# Allegro board gps_interface_boardv46ph.brd (continued)
## Routing (per net, layer and track width the routed paths; a pad name or vN(x,y) marks a point on that pad's centre or on a via; arc(x,y) is an arc through that point) (continued)
VCC3V3_LFILT: length 10.7
  TOP w0.305: U1.2 80.84,134.62 v1(81.75,135.53)
  BOTTOM w0.305: v1(81.75,135.53) 82.63,135.53 83.24,134.92 C8.1 83.29,133.93 84.28,133.93 84.89,133.32 C9.1 86.21,131.47 86.21,131.47 L1.2
VCC5V: length 128.6
  TOP w0.203: U10.12 62.38,67.85 61.32,66.79 v1(61.32,64.9) 61.32,59.46 60.35,58.5 v1(52.86,58.5) 32.97,58.5 32.03,59.44 32.03,63.8 29.77,66.07 27.58,66.07 ; v1(54.61,46.71) 55.65,46.71 56.47,45.89 U13.12 ; 26.04,65.56 26.03,65.55 U8.10
  TOP w0.305: R265.1 v1(69.33,134.8)
  TOP w0.33: P1.11 278.23,12.4 276.71,13.92 276.71,16.81 279.27,19.38 279.27,38.81 284.2,43.74 P2.6
  BOTTOM w0.203: C69.2 v1(61.32,64.9) ; v1(52.86,58.5) 52.86,47.65 53.8,46.71 v1(54.61,46.71) 54.61,46.22 54.93,45.9 C84.2
  BOTTOM w0.305: v1(34.12,140.39) C10.2 33.3,138.3 33.28,138.29 L2.1 v1(31.71,140.21) ; C116.1 278.26,10.36 278.23,10.34 P1.11
  vias: v1(22.45,68.07) v1(22.45,66.67) v1(23.55,68.05) v1(23.55,66.67) v1(23.6,69.39) v1(24.69,69.39) v1(24.66,68.07) v1(24.69,66.67) v1(25.83,69.39) v1(25.88,68.12) v1(25.88,66.67)
VCC5V5: length 0.9
  TOP w0.17: R2660.2 v1(2.92,24.61)
VCC5V_LFILT: length 34.9
  TOP w0.203: v1(44.43,134.57) 43.63,133.76 U2.1
  TOP w0.305: v1(19.11,133.73) 18.3,133.73 18.29,133.74 U3.1
  BOTTOM w0.305: v1(19.11,133.73) C11.2 21.25,133.73 21.25,133.73 25.18,133.73 25.2,133.71 C12.2 ; C12.2 31.7,134.53 31.71,134.53 L2.2 ; C12.2 31.7,132.23 32.54,131.39 42.93,131.39 43.79,132.26 43.79,133.93 v1(44.43,134.57)
VCCR_SFP INTERFACE_ACLK SFP: length 25.8
  TOP w0.305: v1(132.69,99.39) 132.23,99.85 L20.2 132.23,103.48 v1(133.32,104.57) ; J30.15 137.21,113.51 v1(136.7,114.02)
  SIG w0.17: v1(133.32,104.57) 133.1,104.8 v1(132.13,104.8) 132.13,107.95 133.17,108.99 134.44,108.99 135.94,110.49 135.94,113.26 v1(136.7,114.02)
  BOTTOM w0.203: C2717.2 131.68,104.35 v1(132.13,104.8)
  BOTTOM w0.33: C2714.2 136.7,116.69 v1(136.7,114.02)
VCCR_SFP INTERFACE_SFP1: length 12.6
  TOP w0.305: v1(280.01,99.42) 279.48,99.95 L7.2 279.48,103.63 v1(280.42,104.57) ; v1(283.97,114.07) 284.48,113.56 J13.15
  BOTTOM w0.203: C134.2 v1(278.93,104.99)
  BOTTOM w0.33: C135.2 283.97,116.77 v1(283.97,114.07)
VCCR_SFP INTERFACE_SFP2: length 12.8
  TOP w0.305: v1(257.84,99.36) 257.4,99.8 L9.2 257.4,104.01 v1(258.17,104.78) ; J14.15 262.41,113.51 v1(261.9,114.02)
  BOTTOM w0.203: C157.2 v1(256.85,105.11)
  BOTTOM w0.33: C158.2 261.9,116.77 v1(261.9,114.02)
VCCR_SFP INTERFACE_SFP3: length 12.5
  TOP w0.305: v1(235.51,99.42) 235.1,99.82 L11.2 235.1,103.81 v1(235.86,104.57) ; J18.15 240.11,113.51 v1(239.6,114.02)
  BOTTOM w0.203: C180.2 v1(234.55,105.11)
  BOTTOM w0.33: v1(239.6,114.02) 239.6,116.77 C181.2
VCCR_SFP INTERFACE_SFP4: length 12.6
  TOP w0.305: v1(206.68,104.62) 205.89,103.84 L13.2 205.89,99.82 v1(206.3,99.42) ; v1(210.36,114.02) 210.87,113.51 J19.15
  BOTTOM w0.203: C203.2 v1(205.34,105.11)
  BOTTOM w0.33: C204.2 210.36,116.79 v1(210.36,114.02)
VCCR_SFP INTERFACE_SFP5: length 12.6
  TOP w0.305: v1(184,99.42) 183.59,99.82 L15.2 183.59,103.81 v1(184.4,104.62) ; J20.15 188.57,113.51 v1(188.06,114.02)
  BOTTOM w0.203: C226.2 v1(183.04,105.11)
  BOTTOM w0.33: v1(188.06,114.02) 188.06,116.71 C227.2
VCCR_SFP INTERFACE_SFP6: length 12.6
  TOP w0.305: J21.15 166.45,113.51 v1(165.94,114.02) ; v1(161.93,99.39) 161.47,99.85 L17.2 161.47,103.48 v1(162.56,104.57)
  BOTTOM w0.203: v1(161.37,104.8) 160.92,104.35 C249.2
  BOTTOM w0.33: v1(165.94,114.02) 165.94,116.69 C250.2
VCCT_SFP INTERFACE_ACLK SFP: length 24.7
  TOP w0.305: v1(143.41,99.52) 143.41,100.06 143.26,100.22 143.26,100.33 143.23,100.36 L21.2 143.23,104.14 v1(142.57,104.8) ; J30.16 138.01,113.58 v1(138.43,114)
  SIG w0.17: v1(143.81,105.24) 143.01,105.24 v1(142.57,104.8) 138.43,108.94 v1(138.43,114)
  BOTTOM w0.203: C2719.2 v1(143.81,105.24)
  BOTTOM w0.33: C2718.2 138.48,114.04 v1(138.43,114)
VCCT_SFP INTERFACE_SFP1: length 12.6
  TOP w0.305: v1(285.7,114.05) 285.28,113.63 J13.16 ; v1(289.94,104.95) 290.47,104.42 L8.2 290.47,100.05 v1(291.01,99.52)
  BOTTOM w0.203: C137.2 v1(291.05,105.14)
  BOTTOM w0.33: C136.2 285.7,116.91 v1(285.7,114.05)
VCCT_SFP INTERFACE_SFP2: length 15.5
  TOP w0.203: v1(269.38,106.26) 268.12,106.26 268.11,106.26 267.41,106.26
  TOP w0.305: v1(267.56,104.78) 268.4,103.94 L10.2 268.4,100.74 v1(267.92,100.25) ; v1(263.63,114) 263.21,113.58 J14.16
  BOTTOM w0.203: 269.38,107.9 v1(269.38,106.26) ; C160.2 v1(268.98,105.24)
  BOTTOM w0.33: v1(263.63,114) 263.63,116.91 C159.2
VCCT_SFP INTERFACE_SFP3: length 12.4
  TOP w0.305: v1(246.33,99.57) 246.1,99.8 L12.2 246.1,103.81 v1(245.19,104.72) ; v1(241.33,114) 240.91,113.58 J18.16
  BOTTOM w0.203: C183.2 v1(246.68,105.24)
  BOTTOM w0.33: C182.2 241.33,116.91 v1(241.33,114)
VCCT_SFP INTERFACE_SFP4: length 12.9
  TOP w0.305: J19.16 211.67,113.58 v1(212.09,114) ; v1(217.32,99.54) 216.89,99.97 L14.2 216.89,103.94 v1(215.77,105.05)
  BOTTOM w0.203: C206.2 v1(217.47,105.24)
  BOTTOM w0.33: v1(212.09,114) 212.09,116.94 C205.2
VCCT_SFP INTERFACE_SFP5: length 10.7
  TOP w0.305: v1(193.29,102.08) L16.2 194.59,100.34 194.82,100.11 v1(194.82,99.57) ; v1(189.79,114) 189.37,113.58 J20.16
  BOTTOM w0.203: C229.2 v1(195.16,105.24)
  BOTTOM w0.33: v1(189.79,114) 189.79,116.91 C228.2
VCCT_SFP INTERFACE_SFP6: length 16
  TOP w0.203: v1(173.39,106.26) 172.15,106.26 172.15,106.26 171.45,106.26
  TOP w0.305: v1(172.64,99.52) 172.64,100.06 172.49,100.22 172.49,100.33 172.47,100.36 L18.2 172.47,104.14 v1(171.81,104.8) ; J21.16 167.25,113.58 v1(167.67,114)
  BOTTOM w0.203: C252.2 v1(173.04,105.24) ; 173.39,107.9 v1(173.39,106.26)
  BOTTOM w0.33: C251.2 167.67,116.92 v1(167.67,114)
VDD_FILT: length 13.3
  TOP w0.165: v1(117.75,76.56) 118.5,75.81 118.5,75.39 U48.32 ; v1(123,82.16) C18.2 122.88,82.63 U48.46
  TOP w0.203: U48.60 113.01,83.59 v1(112.56,83.15)
  BOTTOM w0.165: v1(112.56,83.15) 113,83.59 C20.2 ; v1(117.75,76.56) 118.52,75.79 C19.2
  vias: v1(104.27,90.35) v1(104.27,89.66) v1(105.03,90.35) v1(105.03,89.66)
VDDA_FILT: length 25.3
  TOP w0.165: v1(102.43,77.64) C15.2 C14.2 104.65,77.63 U48.13
  BOTTOM w0.305: v1(102.43,77.64) 99.71,77.64 98.2,76.12 98.2,67.39 97.92,67.11 L3.2 96.55,66.08 96.55,66.07 C16.1
VDDO_FILT: length 74
  TOP w0.165: 118.01,79.15 118.01,79.16
  TOP w0.203: U48.49 118.51,83.66 v1(118.19,83.34) ; v1(116.66,76.5) 117.01,76.16 U48.29 ; 118.86,77.63 118.48,77.63 118.01,78.11 118.01,79.15 ; 118.86,77.63 118.77,77.54 118.75,77.54 118.6,77.39 118.6,77.37 118.52,77.29 118.52,76.38 118.76,76.13 U48.33 119.26,75.77 119.91,75.12 v1(119.91,75.01) ; 118.86,77.63 U48.36 ; U48.40 v1(118.01,79.63) ; v1(118.01,79.63) 118.01,79.16 ; v1(118.01,79.63) 118.01,80.7 118.45,81.13 U48.43 ; v1(115.06,83.32) 114.51,83.88 U48.57 ; U48.26 115.51,76 115.49,76.02 v1(115.49,76.49) ; v1(113.92,76.5) 113.51,76.09 U48.22
  BOTTOM w0.165: C23.2 118.44,85.24 118.19,84.99 v1(118.19,83.34) ; v1(118.01,79.63) 118.49,79.63 118.51,79.65 C26.2 ; 114,76.49 113.98,76.5 v1(113.92,76.5) 113.51,76.1 C27.2 ; C25.2 117.02,76.15 v1(116.66,76.5) ; C24.2 120.81,75.9 v1(119.91,75.01) ; 126.43,75.16 126.44,75.16 ; v1(115.06,83.32) 114.53,83.86 C28.2 ; 126.43,76.22 L5.2
  BOTTOM w0.203: 114,76.49 v1(115.49,76.49) 116.15,76.49 116.17,76.5 v1(116.66,76.5) ; v1(118.19,83.34) 117.71,83.34 117.7,83.32 v1(115.06,83.32)
  BOTTOM w0.305: v1(119.91,75.01) 124.45,75.01 125.57,76.12 L5.2 126.43,75.16 ; 126.43,76.22 124.1,78.55 124.1,84.3 v1(124.61,84.81) ; v1(115.49,76.49) 115.49,75.95 115.82,75.62 115.82,71.58 116.43,70.97 119.38,70.97 122.48,74.07 C29.1 126.44,75.16
A0_1: length 3
  TOP w0.203: R248.1 214.34,13.84 214.4,13.89 U53.21
A0_2: length 3.7
  TOP w0.203: R247.1 197.09,13.84 197.15,13.77 U52.21
A0_2V5: length 1.5
  TOP w0.203: U13.2 54.64,44.15 54.58,44.2 R59.2
A0_3V3: length 2
  TOP w0.203: U10.3 64.51,65.48 64.51,65.48 R55.2
A0_5V: length 1.5
  TOP w0.203: U8.2 23.19,62.08 23.13,62.14 R48.2
A0_BID: length 4.8
  TOP w0.203: U49.1 82.91,-14.02 82.78,-14.15 R77.1 R73.2
A1_1: length 3.5
  TOP w0.203: R249.1 224.16,12.54 224.11,12.59 U53.2
A1_2: length 3.5
  TOP w0.203: U52.2 206.81,12.47 207.21,12.06 207.95,12.06 208.43,12.54 R250.1
A1_2V5: length 2.1
  TOP w0.203: U13.3 54.65,43.65 54.64,43.64 54.24,43.64 54.05,43.45 R60.2
A1_5V: length 1.8
  TOP w0.203: R49.2 22.63,60.98 23.23,61.58 U8.3
A1_BID: length 5
  TOP w0.203: U49.2 82.22,-15.29 81.46,-16.05 R72.2 R76.1
A2_BID: length 7
  TOP w0.203: U49.3 82.65,-16.56 82.14,-17.07 82.14,-18.9 81.38,-19.66 R71.2 R75.1
ACLK_TO_CDR_N: length 29.3
  TOP w0.203: 137.82,73.79 137.79,73.76 U104.4
  TOP w0.33: 137.82,73.79 137.82,75.25 137.18,75.9 135.48,75.9 135,76.38 135,79.65 135.33,79.98 136.9,79.98 137.27,79.61 137.27,78.6 v1(136.83,78.16) 137.27,77.72 137.27,77.3 137.92,76.66 139.52,76.66 142.33,79.46 144.6,79.46 144.93,79.13 TP765.1
  BOTTOM w0.33: C2747.2 136.8,81.25 137.27,80.78 137.27,78.6 v1(136.83,78.16)
ACLK_TO_CDR_P: length 30.1
  TOP w0.203: 137.29,73.77 137.29,73.76 U104.5
  TOP w0.33: 137.29,73.77 137.29,75.03 136.96,75.36 135.26,75.36 134.47,76.16 134.47,79.88 135.11,80.52 137.12,80.52 137.81,79.83 137.81,78.6 v1(138.25,78.16) 137.81,77.72 137.81,77.53 138.14,77.19 139.3,77.19 142.11,80 144.6,80 144.93,80.33 TP764.1
  BOTTOM w0.33: v1(138.25,78.16) 137.81,78.6 137.81,80.78 138.28,81.25 C2748.2
BNC_DIR: length 11.5
  TOP w0.203: IC2.5 295.33,25.83 J16.2 296.77,20.57 296.75,20.55 J15.2
CDR_ADDR: length 4.7
  TOP w0.17: R2688.1 136.11,63.75 136.6,63.75 136.79,63.94 U104.19
CLK_FDBACK_N: length 3.3
  TOP w0.165: U48.62 111.99,84.4 111.99,85.63 111.79,85.83 R31.2 111.87,86.41 111.87,86.95 111.79,87.04 C37.2
CLK_FDBACK_P: length 3.4
  TOP w0.165: C36.2 112.85,87.22 112.57,86.94 112.57,86.45 R31.1 112.69,85.83 112.5,85.63 112.5,84.39 U48.61
CLK_FROM_FPGA_N: length 8.7
  TOP w0.203: U48.15 109.25,76.63 109.23,76.62
  TOP w0.33: 109.23,76.62 108.37,76.62 107.75,76 107.75,75.39 ; 107.75,75.39 R2692.2 ; 107.75,75.39 107.75,74.24 106.65,73.15 104.64,73.15 C2736.2
CLK_FROM_FPGA_P: length 8.7
  TOP w0.203: 109.23,77.15 109.25,77.13 U48.14
  TOP w0.33: C2735.2 104.74,73.69 106.43,73.69 107.21,74.47 107.21,75.42 ; 107.21,75.42 R2692.1 ; 107.21,75.42 107.21,76.22 108.15,77.15 109.23,77.15
CLK_TO_SFP.CLK_TO_SFP_N0: length 212
  TOP w0.178: 282.13,80.98 282.13,81.01 282.12,81.02 282.12,81.8 282.11,81.81 U22.7
  TOP w0.203: U48.23 114.01,74.38 113.99,74.36
  TOP w0.33: 282.13,80.98 282.13,80.24 v1(282.57,79.8) ; 113.99,74.36 113.99,71.01 112.8,69.82 112.8,54.64 v1(112.36,54.2)
  SIG w0.203: v1(195.99,61.39) 195.55,61.82 160.67,61.82 151.5,52.65 113.31,52.65 112.86,53.1 112.86,53.7 v1(112.36,54.2)
  BOTTOM w0.33: v1(282.57,79.8) 282.14,79.37 282.14,72.03 279.78,69.67 254.91,69.67 247,61.76 196.98,61.76 196.61,61.39 v1(195.99,61.39)
CLK_TO_SFP.CLK_TO_SFP_N1: length 185.6
  TOP w0.178: 260.06,81.08 260.06,81.11 260.05,81.12 260.05,81.9 260.04,81.91 U26.7
  TOP w0.203: 115.99,74.36 116.01,74.38 U48.27
  TOP w0.33: v1(114.22,56.11) 114.66,56.55 114.66,69.23 115.99,70.57 115.99,74.36 ; v1(260.5,79.9) 260.06,80.34 260.06,81.08
  SIG w0.203: v1(194.56,63.29) 194.13,63.73 160.24,63.73 150.82,54.31 115.16,54.31 114.72,54.75 114.72,55.61 v1(114.22,56.11)
  BOTTOM w0.33: v1(260.5,79.9) 260.06,79.46 260.06,72.63 259.31,71.88 251.92,71.88 243.7,63.67 195.56,63.67 195.19,63.29 v1(194.56,63.29)
CLK_TO_SFP.CLK_TO_SFP_N2: length 165.7
  TOP w0.178: U30.7 237.74,81.91 237.74,81.9 237.74,81.12 237.76,81.11 237.76,81.08
  TOP w0.203: 117.49,74.36 117.51,74.38 U48.30
  TOP w0.33: 117.49,74.36 117.49,69.68 116.56,68.75 116.56,58.55 v1(116.12,58.12) ; 237.76,81.08 237.76,80.34 v1(238.2,79.9)
  SIG w0.203: v1(116.12,58.12) 116.62,57.61 116.62,56.75 117.07,56.31 150.14,56.31 160.1,66.27 195.17,66.27 v1(195.61,65.83)
  BOTTOM w0.33: v1(238.2,79.9) 237.76,79.46 237.76,77.64 241.05,74.35 241.05,67.98 239.27,66.21 196.6,66.21 196.23,65.83 v1(195.61,65.83)
CLK_TO_SFP.CLK_TO_SFP_N3: length 134.8
  TOP w0.178: 208.55,81.08 208.55,81.11 208.53,81.12 208.53,81.9 208.53,81.91 U34.7
  TOP w0.203: U48.34 120.26,76.63 120.28,76.62 121.13,76.62
  TOP w0.33: 208.55,81.08 208.55,80.34 v1(208.99,79.9) ; 121.13,76.62 121.92,75.83 121.92,70.83 118.47,67.38 118.47,60.31 v1(118.03,59.87)
  SIG w0.203: v1(195.05,68.32) 194.61,68.76 160.49,68.76 150.13,58.39 118.97,58.39 118.53,58.84 118.53,59.36 v1(118.03,59.87)
  BOTTOM w0.33: v1(208.99,79.9) 208.55,79.46 208.55,77.18 211.86,73.86 211.86,70.37 210.19,68.69 196.04,68.69 195.67,68.32 v1(195.05,68.32)
CLK_TO_SFP.CLK_TO_SFP_N4: length 103.2
  TOP w0.178: 186.25,81.08 186.25,81.11 186.23,81.12 186.23,81.9 186.23,81.91 U38.7
  TOP w0.203: 121.76,78.1 119.69,78.1 119.66,78.13 U48.37
  TOP w0.33: v1(186.69,79.9) 186.25,80.34 186.25,81.08 ; 121.76,78.1 123.49,76.36 123.49,69.44 120.6,66.54 120.6,62.06 v1(120.16,61.62)
  SIG w0.203: v1(120.16,61.62) 120.66,61.12 120.66,60.41 121.1,59.97 149.5,59.97 160.38,70.84 183.1,70.84 186.18,73.92 186.18,79.4 v1(186.69,79.9)
CLK_TO_SFP.CLK_TO_SFP_N5: length 77.7
  TOP w0.178: 164.12,81.08 164.12,81.11 164.11,81.12 164.11,81.9 164.11,81.91 U42.7
  TOP w0.203: 122.55,79.8 122.48,79.86 121.39,79.86 121.14,80.12 120.28,80.12 120.26,80.13 U48.41
  TOP w0.33: 122.55,79.8 125.04,77.3 125.04,68.17 123.22,66.34 123.22,63.63 v1(122.78,63.2) ; v1(164.56,79.9) 164.12,80.34 164.12,81.08
  SIG w0.203: v1(164.56,79.9) 163.98,79.32 163.98,76.25 149,61.26 123.72,61.26 123.28,61.71 123.28,62.69 v1(122.78,63.2)
CLK_TO_SFP.CLK_TO_SFP_P0: length 210.5
  TOP w0.178: U22.6 281.61,81.82 281.6,81.8 281.6,80.98
  TOP w0.203: 114.52,74.36 114.51,74.38 U48.24
  TOP w0.33: v1(113.77,54.2) 113.33,54.64 113.33,69.6 114.52,70.79 114.52,74.36 ; 281.6,80.98 281.6,80.24 v1(281.16,79.8)
  SIG w0.203: v1(113.77,54.2) 113.27,53.7 113.27,53.26 113.47,53.06 151.33,53.06 160.5,62.23 195.55,62.23 v1(195.99,62.66)
  BOTTOM w0.33: v1(195.99,62.66) 196.61,62.66 196.98,62.29 246.78,62.29 254.69,70.21 279.56,70.21 281.61,72.26 281.61,79.35 v1(281.16,79.8)
CLK_TO_SFP.CLK_TO_SFP_P1: length 184
  TOP w0.178: U26.6 259.54,81.92 259.52,81.9 259.52,81.08
  TOP w0.203: 116.52,74.36 116.51,74.38 U48.28
  TOP w0.33: v1(259.08,79.9) 259.52,80.34 259.52,81.08 ; 116.52,74.36 116.52,70.35 115.19,69.01 115.19,56.55 v1(115.63,56.11)
  SIG w0.203: v1(194.56,64.57) 194.13,64.14 160.07,64.14 150.65,54.71 115.33,54.71 115.13,54.91 115.13,55.61 v1(115.63,56.11)
  BOTTOM w0.33: v1(194.56,64.57) 195.19,64.57 195.56,64.2 243.48,64.2 251.7,72.42 259.09,72.42 259.52,72.85 259.52,79.46 v1(259.08,79.9)
CLK_TO_SFP.CLK_TO_SFP_P2: length 164.2
  TOP w0.178: U30.6 237.24,81.92 237.22,81.9 237.22,81.08
  TOP w0.203: U48.31 118.01,74.38 118.02,74.36
  TOP w0.33: 118.02,74.36 118.02,69.46 117.09,68.53 117.09,58.55 v1(117.53,58.12) ; 237.22,81.08 237.22,80.34 v1(236.78,79.9)
  SIG w0.203: v1(117.53,58.12) 117.03,57.61 117.03,56.92 117.23,56.72 149.97,56.72 159.93,66.67 195.17,66.67 v1(195.61,67.11)
  BOTTOM w0.33: v1(195.61,67.11) 196.23,67.11 196.6,66.74 239.05,66.74 240.51,68.2 240.51,74.12 237.22,77.41 237.22,79.46 v1(236.78,79.9)
CLK_TO_SFP.CLK_TO_SFP_P3: length 134.1
  TOP w0.178: U34.6 208.03,81.92 208.01,81.9 208.01,81.08
  TOP w0.203: U48.35 120.26,77.13 120.28,77.15 121.35,77.15
  TOP w0.33: v1(119.44,59.87) 119,60.31 119,67.16 122.45,70.61 122.45,76.05 121.35,77.15 ; 208.01,81.08 208.01,80.34 v1(207.57,79.9)
  SIG w0.203: v1(195.05,69.6) 194.61,69.16 160.32,69.16 149.96,58.8 119.14,58.8 118.94,59 118.94,59.36 v1(119.44,59.87)
  BOTTOM w0.33: v1(207.57,79.9) 208.01,79.46 208.01,76.96 211.33,73.64 211.33,70.59 209.97,69.23 196.04,69.23 195.67,69.6 v1(195.05,69.6)
CLK_TO_SFP.CLK_TO_SFP_P4: length 102.8
  TOP w0.178: U38.6 185.73,81.92 185.71,81.9 185.71,81.08
  TOP w0.203: 121.98,78.63 U48.38
  TOP w0.33: v1(121.57,61.62) 121.13,62.06 121.13,66.32 124.03,69.22 124.03,76.58 121.98,78.63 ; 185.71,81.08 185.71,80.34 v1(185.27,79.9)
  SIG w0.203: v1(185.27,79.9) 185.78,79.4 185.78,74.09 182.93,71.25 160.21,71.25 149.34,60.38 121.27,60.38 121.07,60.58 121.07,61.12 v1(121.57,61.62)
CLK_TO_SFP.CLK_TO_SFP_P5: length 77.2
  TOP w0.178: 163.59,81.08 163.59,81.9 163.61,81.92 U42.6
  TOP w0.203: 122.92,80.18 122.9,80.19 122.81,80.19 122.74,80.27 122.48,80.27 122.35,80.27 122.35,80.27 121.56,80.27 121.18,80.65 120.28,80.65 120.26,80.63 U48.42
  TOP w0.33: v1(163.15,79.9) 163.59,80.34 163.59,81.08 ; v1(124.19,63.2) 123.75,63.63 123.75,66.12 125.58,67.94 125.58,77.52 122.92,80.18
  SIG w0.203: v1(124.19,63.2) 123.69,62.69 123.69,61.87 123.89,61.67 148.83,61.67 163.58,76.42 163.58,79.47 v1(163.15,79.9)
CML_SFP_TD_N_SFP INTERFACE_SFP1: length 5
  TOP w0.178: R120.2 284.84,83.77 U22.10
  TOP w0.33: R120.2 285.94,83.46 286.75,83.46 287.03,83.19 C141.1
CML_SFP_TD_N_SFP INTERFACE_SFP2: length 5
  TOP w0.178: U26.10 262.77,83.87 R141.2
  TOP w0.33: C164.1 264.96,83.29 264.68,83.57 263.87,83.57 R141.2
CML_SFP_TD_N_SFP INTERFACE_SFP3: length 5
  TOP w0.178: U30.10 240.47,83.87 R162.2
  TOP w0.33: C187.1 242.66,83.29 242.38,83.57 241.57,83.57 R162.2
CML_SFP_TD_N_SFP INTERFACE_SFP4: length 5
  TOP w0.178: U34.10 211.26,83.87 R183.2
  TOP w0.33: C210.1 213.45,83.29 213.17,83.57 212.36,83.57 R183.2
CML_SFP_TD_N_SFP INTERFACE_SFP5: length 5
  TOP w0.178: U38.10 188.96,83.87 R204.2
  TOP w0.33: R204.2 190.05,83.57 190.86,83.57 191.14,83.29 C233.1
CML_SFP_TD_N_SFP INTERFACE_SFP6: length 5
  TOP w0.178: R225.2 166.84,83.87 U42.10
  TOP w0.33: R225.2 167.93,83.57 168.74,83.57 169.02,83.29 C256.1
CML_SFP_TD_P_SFP INTERFACE_SFP1: length 4.9
  TOP w0.178: R119.2 285.33,84.27 U22.11
  TOP w0.33: C140.1 287.03,84.28 286.75,84 286.04,84 R119.2
CML_SFP_TD_P_SFP INTERFACE_SFP2: length 4.9
  TOP w0.178: U26.11 263.25,84.37 R140.2
  TOP w0.33: R140.2 263.97,84.1 264.68,84.1 264.96,84.38 C163.1
CML_SFP_TD_P_SFP INTERFACE_SFP3: length 4.9
  TOP w0.178: U30.11 240.95,84.37 R161.2
  TOP w0.33: C186.1 242.66,84.38 242.38,84.1 241.67,84.1 R161.2
CML_SFP_TD_P_SFP INTERFACE_SFP4: length 4.9
  TOP w0.178: U34.11 211.74,84.37 R182.2
  TOP w0.33: C209.1 213.45,84.38 213.17,84.1 212.46,84.1 R182.2
CML_SFP_TD_P_SFP INTERFACE_SFP5: length 4.9
  TOP w0.178: R203.2 189.44,84.37 U38.11
  TOP w0.33: C232.1 191.14,84.38 190.86,84.1 190.16,84.1 R203.2
CML_SFP_TD_P_SFP INTERFACE_SFP6: length 4.9
  TOP w0.178: R224.2 167.32,84.37 U42.11
  TOP w0.33: R224.2 168.03,84.1 168.74,84.1 169.02,84.38 C255.1
FB_2V5: length 2.5
  TOP w0.165: U12.3 47.05,51.84 47.61,52.4 C83.2
FB_3V3_1: length 2.5
  TOP w0.165: C64.2 47.59,70.41 47.03,69.85 U9.3
FB_3V3_2: length 2.5
  TOP w0.165: U11.3 47,84.71 47.56,85.27 C75.2
FB_5V: length 9.9
  TOP w0.165: U7.3 15.61,69.77 16.17,70.33 C56.2
  TOP w0.203: C56.2 v1(18.34,70.33)
  BOTTOM w0.203: R47.1 16.42,74.46 16.45,74.43 R46.2 16.99,73.38 18.34,72.03 v1(18.34,70.33)
FB_5V5: length 7.8
  TOP w0.203: U6.32 6.94,44.32 v1(6.53,44.73)
  BOTTOM w0.165: R41.2 5.18,45.43 5.16,45.45 R36.1
  BOTTOM w0.203: v1(6.53,44.73) 5.9,44.73 5.89,44.74 R41.2 4.36,44.74 4.15,44.96 C51.2
FMC.ACLK_FROM_SFP_N: length 211.2
  TOP w0.203: 139.84,85.34 139.84,85.39 139.9,85.46 139.9,86.78 138.35,88.33 138.35,89.21 138.3,89.26 U107.11
  TOP w0.33: 139.84,85.34 139.84,82.95 139.31,82.42 133.05,82.42 127.99,77.36 127.99,42.31 126.35,40.67 122.4,40.67 116.66,46.41 97.79,46.41 95.91,44.53 95.91,26.98 109.56,13.34 113.18,13.34 114.68,11.84 114.68,8.13 113.64,7.09 112.46,7.09 111.61,7.94 111.61,9.72 v1(112.05,10.16)
  BOTTOM w0.33: v1(112.05,10.16) 111.61,9.72 111.61,6.93 114.6,3.94 169.17,3.94 169.91,4.68 169.91,6.62 169.54,6.99
FMC.ACLK_FROM_SFP_P: length 214.8
  TOP w0.203: 140.37,85.34 140.37,85.39 140.31,85.46 140.31,86.94 138.75,88.5 138.75,89.21 138.8,89.26 U107.12
  TOP w0.33: v1(110.63,10.16) 111.07,9.72 111.07,7.72 112.24,6.55 113.86,6.55 115.21,7.91 115.21,12.06 113.4,13.87 109.78,13.87 96.44,27.2 96.44,44.31 98.01,45.87 116.44,45.87 122.18,40.13 126.57,40.13 128.52,42.09 128.52,77.14 133.27,81.89 139.53,81.89 140.37,82.73 140.37,85.34
  BOTTOM w0.33: v1(110.63,10.16) 111.07,9.72 111.07,6.71 114.38,3.4 169.39,3.4 170.45,4.46 170.45,6.62 J8.C6
FMC.ACLK_REFCLK_N: length 21.1
  TOP w0.33: v1(172.09,9.18) 172.09,9.07 172.82,8.33 172.82,8.11 173.57,7.37 180.36,7.37 181.9,8.91 181.9,15.1 182.23,15.43 182.58,15.43 182.91,15.76 QZ1.5
  BOTTOM w0.33: J8.D5 v1(172.09,9.18)
FMC.ACLK_REFCLK_P: length 19
  TOP w0.33: QZ1.4 180.37,15.76 180.7,15.43 181.04,15.43 181.37,15.1 181.37,9.13 180.14,7.9 173.79,7.9 173.35,8.33 v1(173.35,9.18)
  BOTTOM w0.33: J8.D4 v1(173.35,9.18)
FMC.ACLK_SFP_SCL: length 124.7
  TOP w0.203: v1(137.62,118.8) 137.62,119.05 137.61,119.05 J30.5 ; v1(136.86,62.43) 137.29,62.87 U104.20 ; v1(109.49,115.63) 105.14,111.29 U19.20
  SIG w0.203: v1(137.62,118.8) 137.16,119.25 133.32,119.25 132.51,118.44 128.98,118.44 127.86,117.32 123.93,117.32 122.2,119.05 118.11,119.05 116.54,117.47 114.76,117.47 112.92,115.63 v1(109.49,115.63)
  BOTTOM w0.203: R102.1 109.19,115.63 v1(109.49,115.63) 109.49,103.09 114.12,98.45 114.12,96.67 TP890.1 115.6,92.48 116.97,91.11 123.01,91.11 130.18,83.95 130.18,80.19 135.03,75.34 135.03,69.29 136.86,67.46 v1(136.86,62.43)
FMC.ACLK_SFP_SDA: length 133.6
  TOP w0.203: U19.19 103.1,110.64 104.57,109.17 v1(104.57,108.97) ; U104.21 137.79,62.92 v1(138.33,62.38) ; v1(138.41,121.87) J30.4
  SIG w0.203: v1(138.41,121.87) 134.98,125.3 132.61,125.3 130.4,127.51 113.77,127.51 107.54,121.28 107.54,111.94 v1(104.57,108.97)
  BOTTOM w0.203: v1(138.33,62.38) 138.33,61.57 138.13,61.37 135.28,61.37 134.49,62.15 134.49,74.57 133.09,75.97 133.07,75.97 129.57,79.48 129.57,83.52 122.81,90.27 116.48,90.27 112.5,94.26 TP880.1 112.5,98.45 104.57,106.38 v1(104.57,108.97) 105.57,109.97 R103.1
FMC.ACLK_SFP_TX_DIS: length 247
  TOP w0.203: J30.3 v1(139.21,118.82) ; U52.20 193.84,14.42 192.66,15.6 v1(192.66,29.49)
  SIG w0.203: v1(192.66,29.49) 188.06,29.49 183.85,33.71 183.85,42.57 181.51,44.91 109.63,44.91 98.68,55.85 98.68,70.41 93.4,75.69 93.4,94.31 97.36,98.27 104.29,98.27 109.47,103.45 109.47,113.39 108.71,114.15 108.71,117.58 109.47,118.34 109.47,120.45 114.91,125.88 130.23,125.88 132.31,123.8 132.31,122.12 134.62,119.81 138.25,119.81 139.21,118.85 v1(139.21,118.82)
FMC.ACLK_TO_SFP_N: length 165.8
  TOP w0.33: v1(188.73,35.08) 188.29,34.64 188.29,15.72 183.69,11.13 183.69,4.96 181.78,3.05 175.96,3.05 174.99,4.01 174.99,5.07 174.62,5.44 v1(174.62,6.06) ; J30.19 140.41,110.59 140.28,110.46 140.28,108.41 139.37,107.5 139.37,100.23 142.01,97.59 150.32,97.59 152.43,95.48 152.43,50.91 v1(152.87,50.47)
  SIG w0.203: v1(188.73,35.08) 188.23,35.58 188.23,43.17 182.96,48.44 153.24,48.44 152.36,49.31 152.36,49.97 v1(152.87,50.47)
  BOTTOM w0.33: J8.C3 v1(174.62,6.06)
FMC.ACLK_TO_SFP_P: length 164
  TOP w0.33: v1(187.32,35.08) 187.76,34.64 187.76,15.94 183.16,11.35 183.16,5.18 181.56,3.58 176.18,3.58 175.53,4.23 175.53,5.07 175.9,5.44 v1(175.9,6.06) ; J30.18 139.61,110.59 139.75,110.46 139.75,108.63 138.84,107.72 138.84,100.01 141.79,97.05 150.1,97.05 151.89,95.26 151.89,50.91 v1(151.45,50.47)
  SIG w0.203: v1(187.32,35.08) 187.82,35.58 187.82,43 182.79,48.03 153.07,48.03 151.96,49.15 151.96,49.97 v1(151.45,50.47)
  BOTTOM w0.33: J8.C2 v1(175.9,6.06)
FMC.AUXOUT0_N: length 164.3
  TOP w0.33: v1(158.12,11.14) 158.12,11.76 158.48,12.13 158.48,13.43 157.2,14.71 157.2,33.83 172.69,49.33 254.1,49.33 258.14,45.29 276.91,45.29 280.44,48.82 280.44,53.42 281.66,54.64 P2.7
  BOTTOM w0.33: J8.G16 v1(158.12,11.14)
FMC.AUXOUT0_P: length 161.8
  TOP w0.33: P2.8 281.31,53.01 280.97,52.68 280.97,48.6 277.13,44.75 257.92,44.75 253.88,48.79 172.92,48.79 157.73,33.61 157.73,14.94 159.02,13.65 159.02,12.13 159.38,11.76 v1(159.38,11.14)
  BOTTOM w0.33: 159.38,12.06 v1(159.38,11.14)
FMC.AUXOUT1_N: length 164.3
  TOP w0.33: P2.11 276.58,54.88 275.44,53.73 275.44,49.02 273.05,46.63 259.18,46.63 254.91,50.9 168.56,50.9 153.39,35.73 153.39,14.71 154.67,13.43 154.67,12.13 154.31,11.76 v1(154.31,11.14)
  BOTTOM w0.33: J8.G19 v1(154.31,11.14)
FMC.AUXOUT1_P: length 161.7
  TOP w0.33: v1(155.57,11.14) 155.57,11.76 155.21,12.13 155.21,13.65 153.92,14.94 153.92,35.51 168.78,50.37 254.69,50.37 258.96,46.1 273.27,46.1 275.97,48.8 275.97,52.68 276.3,53.01 P2.12
  BOTTOM w0.33: J8.G18 v1(155.57,11.14)
FMC.AUXOUT2_N: length 162.7
  TOP w0.33: v1(150.5,11.14) 150.5,11.76 150.86,12.13 150.86,13.18 149.58,14.46 149.58,36.25 165.99,52.65 255.85,52.65 259.99,48.51 269.01,48.51 270.28,49.78 270.28,53.59 271.5,54.81 P2.15
  BOTTOM w0.33: J8.G22 v1(150.5,11.14)
FMC.AUXOUT2_P: length 160.5
  TOP w0.33: P2.16 271.25,53.26 271.14,53.26 270.81,52.93 270.81,49.56 269.23,47.98 259.77,47.98 255.63,52.12 166.21,52.12 150.11,36.02 150.11,14.68 151.4,13.4 151.4,12.13 151.76,11.76 v1(151.76,11.14)
  BOTTOM w0.33: 151.76,12.06 v1(151.76,11.14)
FMC.AUXOUT3_N: length 155.6
  TOP w0.33: v1(146.69,11.14) 146.69,11.76 147.05,12.13 147.05,12.95 145.87,14.13 145.87,36.2 164.16,54.48 266.03,54.48 266.42,54.88 P2.19
  BOTTOM w0.33: J8.G25 v1(146.69,11.14)
FMC.AUXOUT3_P: length 154.6
  TOP w0.33: P2.20 266.42,53.62 266.09,53.95 164.38,53.95 146.41,35.97 146.41,14.35 147.59,13.17 147.59,12.13 147.96,11.76 v1(147.96,11.14)